# Altium PCB spider-nest.PcbDoc
Units mm, origin at the board's own origin, x right, y up, seen from the top; angles counter-clockwise.
Board outline 200 x 197.5 mm, 2 copper layers (Top Layer, Bottom Layer); 174 components, 264 nets, 1036 pads, 25 vias.
Unrouted connection lines stored in the file: 581.
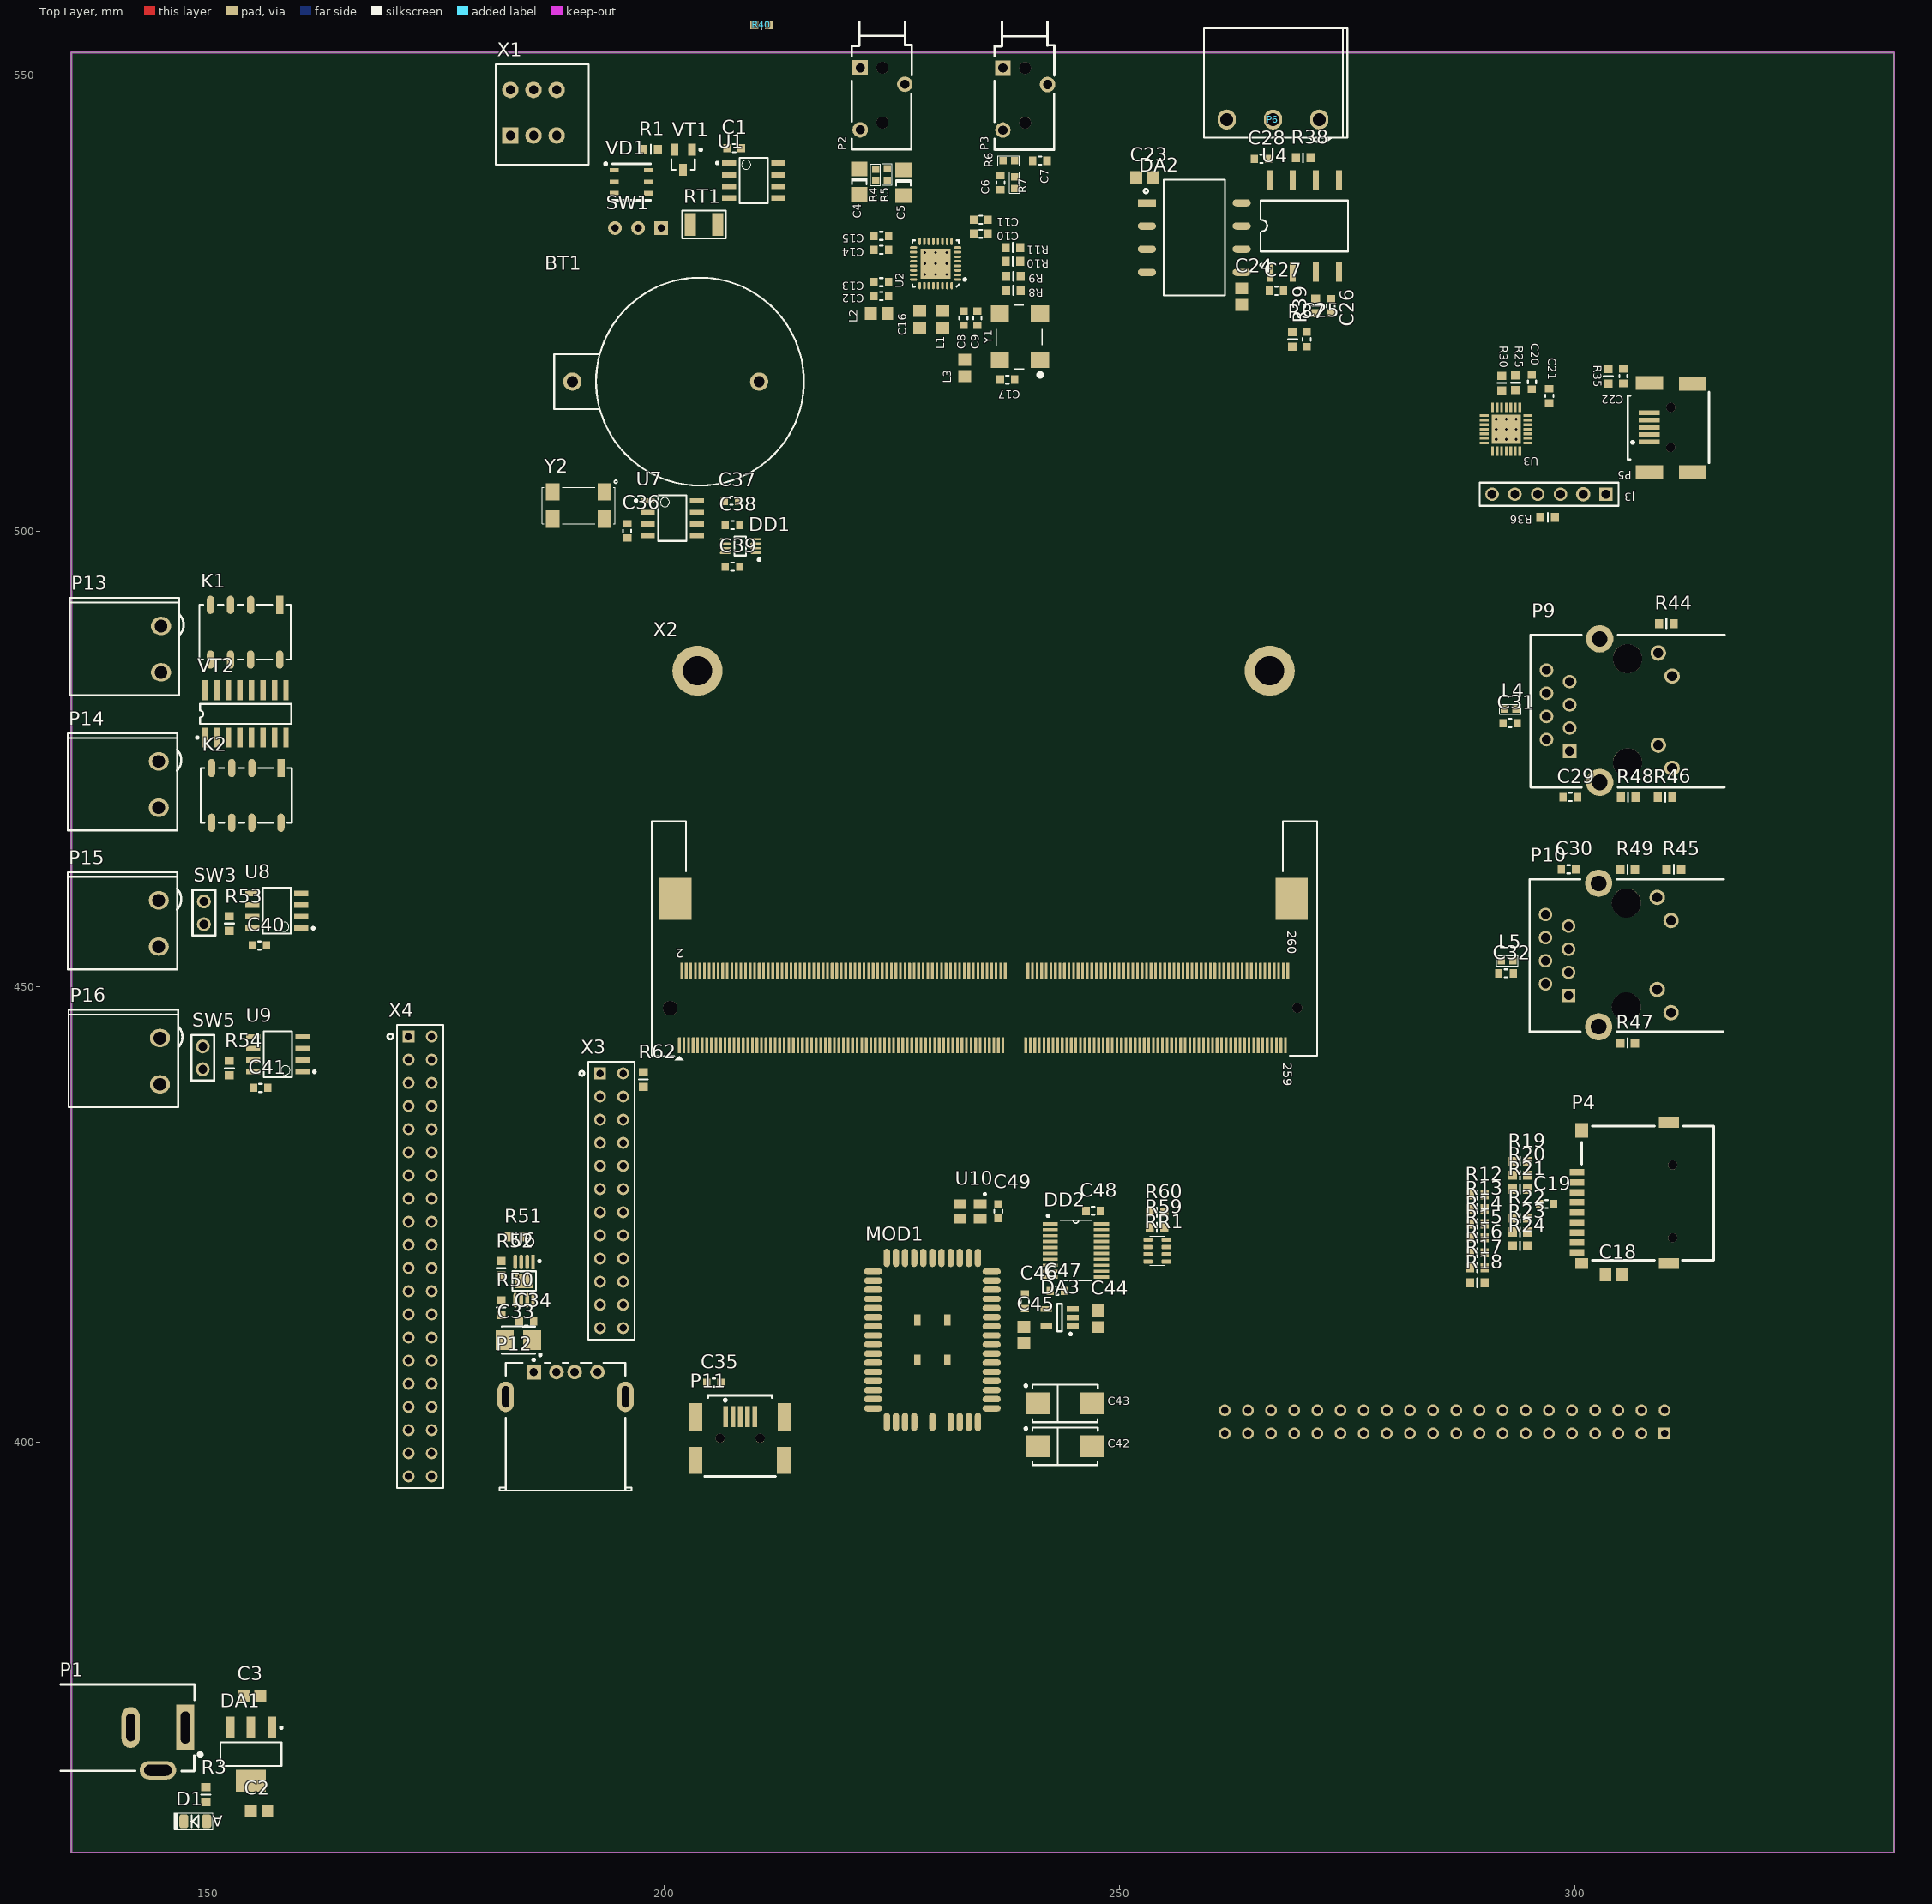
[diagram p0: Top Layer view]
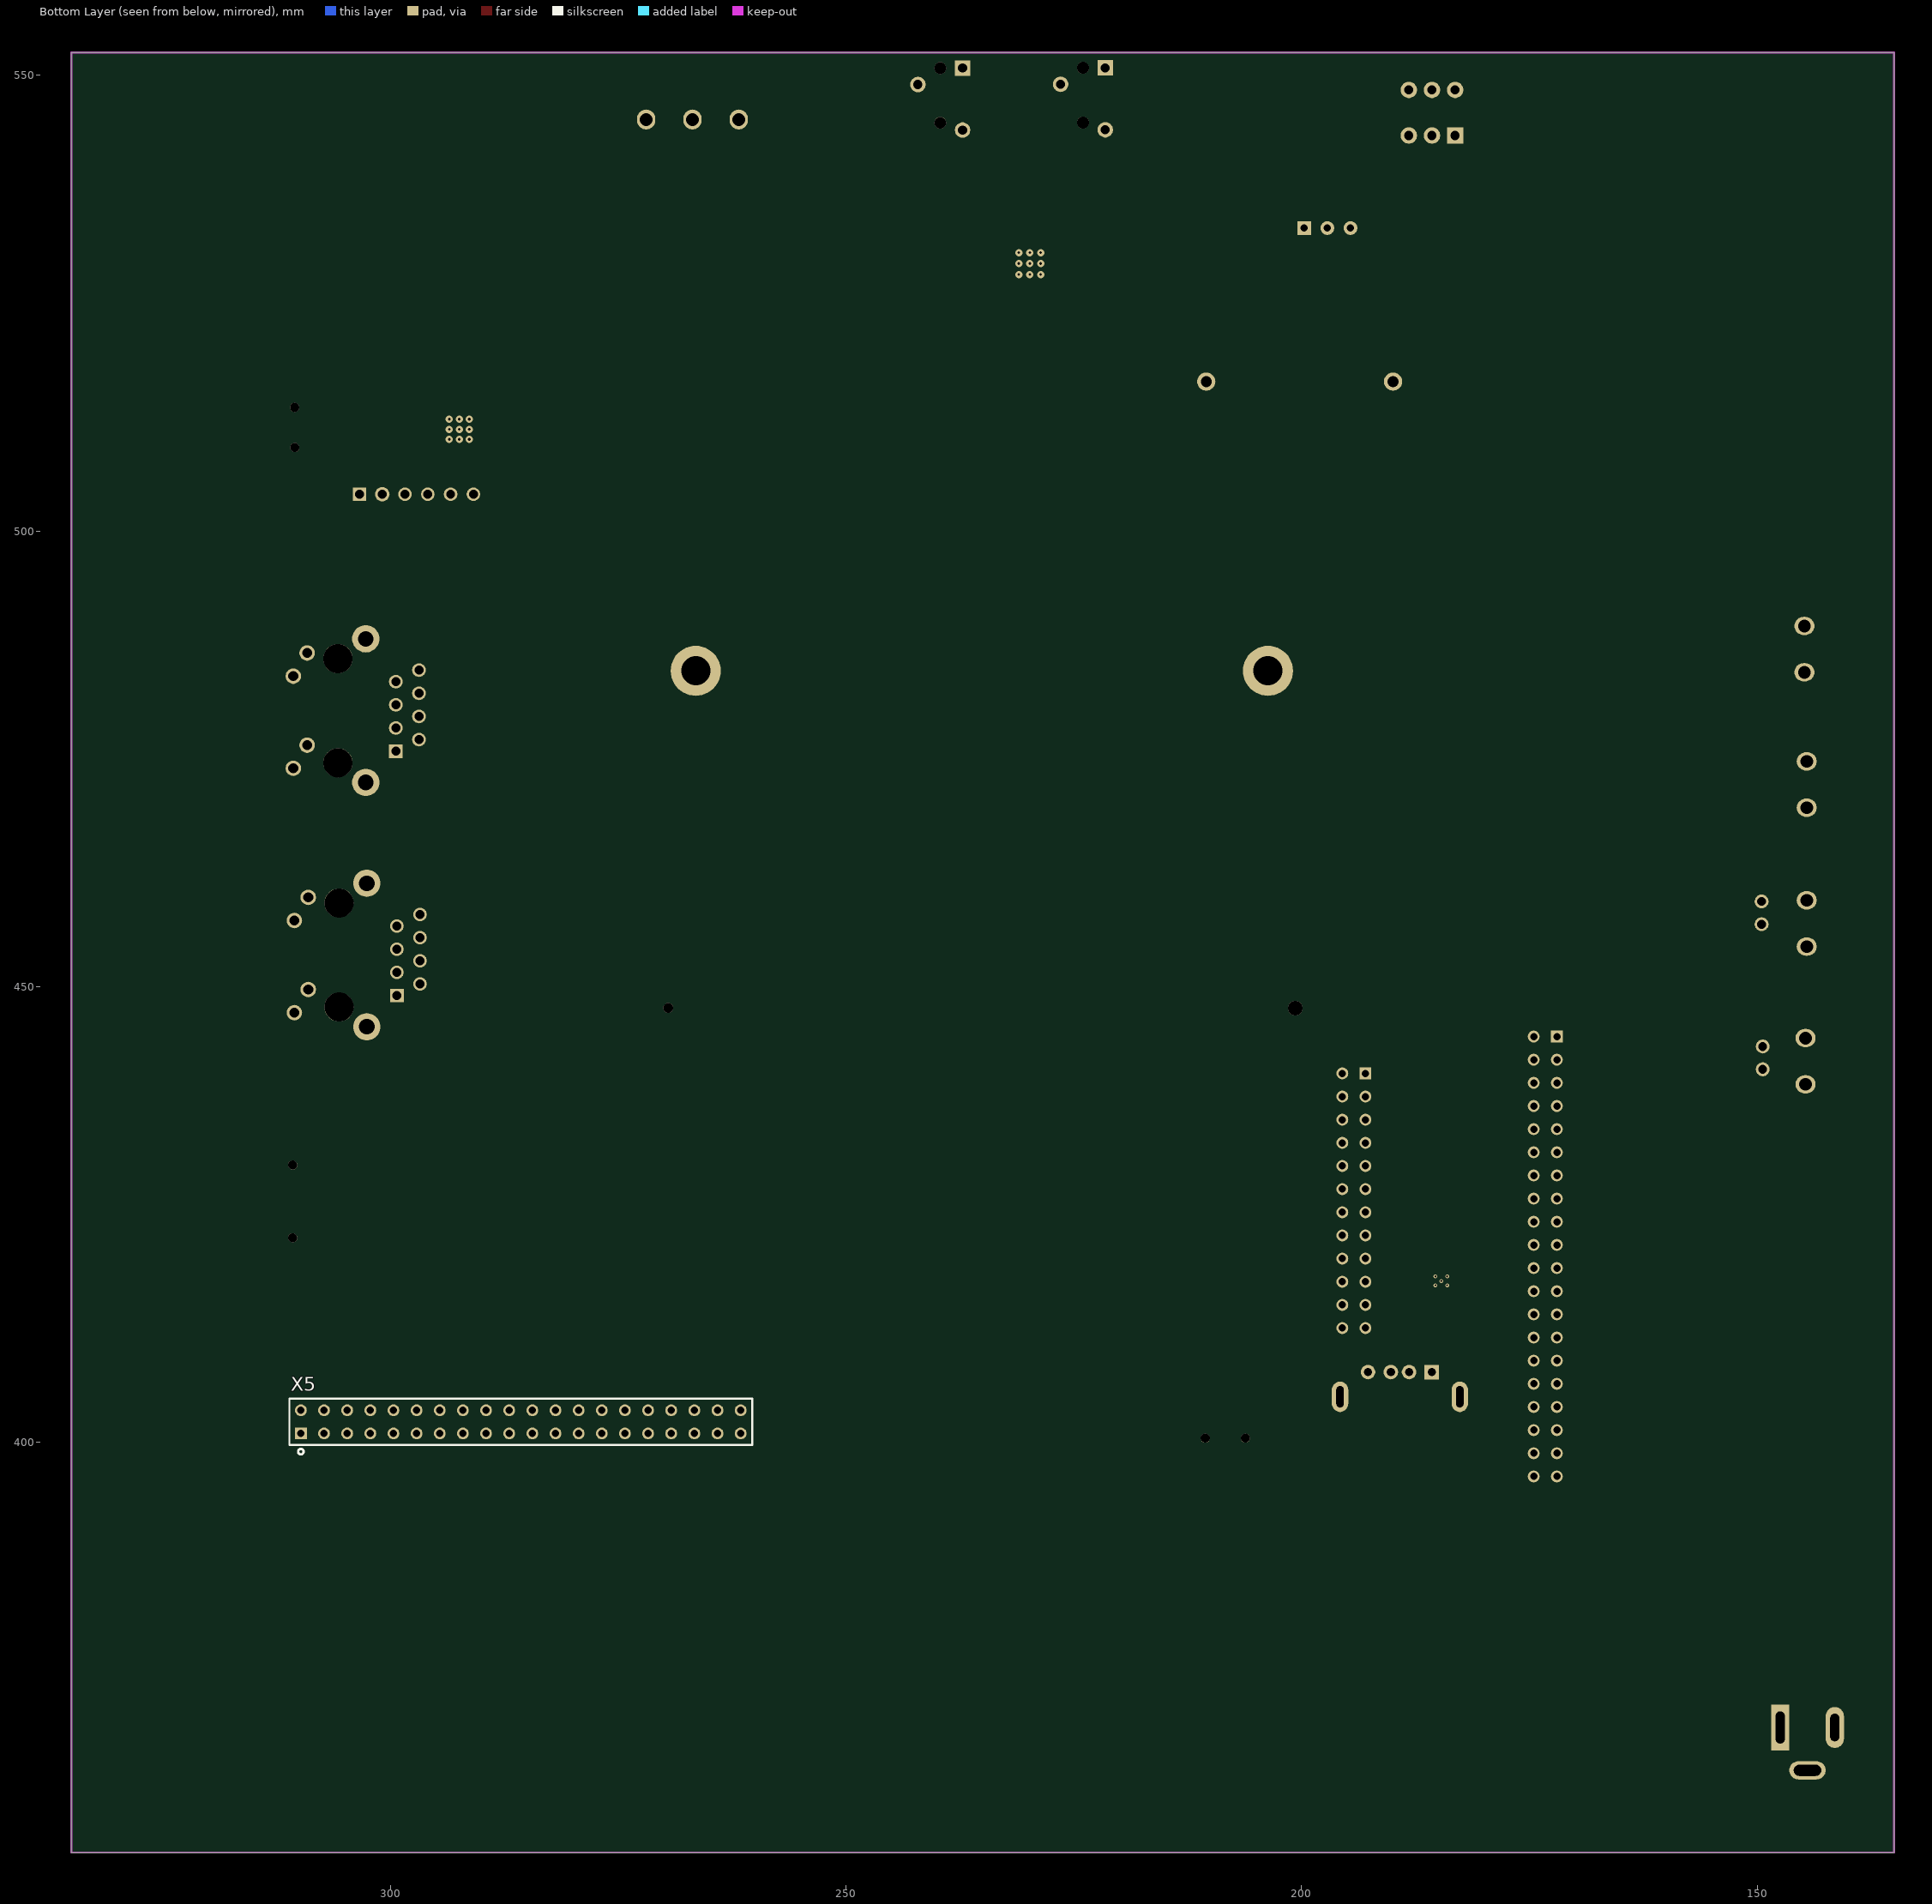
[diagram p1: Bottom Layer view, seen from below]

## Layer stack, top to bottom
Top Solder: solder mask 0.0102, Solder Resist, Dk 3.5
Top Layer: signal copper 0.0356
Dielectric 1: dielectric 0.32, FR-4, Dk 4.8
Bottom Layer: signal copper 0.0356
Bottom Solder: solder mask 0.0102, Solder Resist, Dk 3.5

## Board outline
135,355 335,355 335,552.5 135,552.5

## Design rules (kind name [scope] priority, off if disabled: settings)
Clearance [All] p1: gap=0.2
ComponentClearance [All] p1: gap=0.2 collisioncheckmode=3 verticalgap=0.2 showdistances=FALSE
DiffPairsRouting [All] p1: maxlimit=0.254 minlimit=0.2 mostfreqgap=0.25 toplayer_minwidth=0.25 toplayer_maxwidth=0.381 toplayer_prefwidth=0.25 bottomlayer_minwidth=0.25 bottomlayer_maxwidth=0.381 bottomlayer_prefwidth=0.25 maxuncoupledlength=12.7
HoleSize [All] p1: absolutevalues=TRUE maxlimit=10 minlimit=0.025 maxpercent=80.000 minpercent=20.000
HoleToHoleClearance [All] p1: gap=0.2 allowstackedmicrovias=TRUE
MinimumSolderMaskSliver [All] p1: minsoldermaskwidth=0.1
PolygonConnect [All] p1: connectstyle=Relief reliefconductorwidth=0.254 reliefentries=4 polygonreliefangle="90 Angle" airgapwidth=0.254
RoomDefinition power [InComponentClass('power')] p1: confinementstyle=ConfineIn formatcopy=TRUE lockcomponents=FALSE outline 178.943,205.359 221.107,205.359 221.107,224.409 178.943,224.409
RoomDefinition expansion_gpio [InComponentClass('expansion_gpio')] p2: confinementstyle=ConfineIn formatcopy=TRUE lockcomponents=FALSE outline 178.943,150.368 206.121,150.368 206.121,204.216 178.943,204.216
RoomDefinition boot [InComponentClass('boot')] p3: confinementstyle=ConfineIn formatcopy=TRUE lockcomponents=FALSE outline 178.943,60.198 445.389,60.198 445.389,79.121 178.943,79.121
RoutingVias [All] p1: holewidth=0.8 width=1.3 viastyle="Through Hole" minholewidth=0.3 minwidth=0.8 maxholewidth=1 maxwidth=3
SilkToSilkClearance [All] p1: silktosilkclearance=0.2
SilkToSolderMaskClearance [IsPad] p1: minsilkscreentomaskgap=0.1 clearancetoexposedcopper=TRUE
SolderMaskExpansion [All] p1: expansion=0.102
Width [All] p1: maxlimit=3 minlimit=0.25 preferedwidth=0.25
23 further rules are at their usual default settings.

## Classes and differential pairs
component class 1-wire: C1 J1 R1 RT1 SW1 U1 VD1 VT1 X1
component class audio: C4 C5 C6 C7 C8 C9 C10 C11 C12 C13 C14 C15 C16 C17 L1 L2 L3 P2 P3 R4 R5 R6 R7 R8 R9 R10 R11 U2 Y1
component class boot: C18 C19 C20 C21 C22 D2 D3 D4 D5 J2 J3 P4 P5 Q1 Q2 R12 R13 R14 R15 R16 R17 R18 R19 R20 R21 R22 R23 R24 R25 R26 R27 R28 R29 R30 R31 R32 R33 R34 R35 R36 S1 S2 S3 SW2 U3
component class can: C23 C24 C25 C26 C27 C28 DA2 P6 R37 R38 R39 U4
component class digital-in: P7 P8 R40 R41 R42 R43 U5
component class eth_usb: BAT1 BT1 C29 C30 C31 C32 C33 C34 C35 C36 C37 C38 C39 DD1 L4 L5 P9 P10 P11 P12 R44 R45 R46 R47 R48 R49 R50 R51 R52 U6 U7 Y2
component class expansion_gpio: R61 X3 X4 X5
component class power: C2 C3 D1 DA1 P1 R2 R3
component class relay: K1 K2 P13 P14 VT2
component class rs485: C40 C41 P15 P16 R53 R54 SW3 SW4 SW5 SW6 U8 U9
component class spider-som: R62 X2
component class wifi: AN1 C42 C43 C44 C45 C46 C47 C48 C49 CA1 DA3 DD2 MOD1 R59 R60 RR1 U10
differential pair ETH1_RX: +ETH1_RX_P -ETH1_RX_N
differential pair ETH1_TX: +ETH1_TX_P -ETH1_TX_N
differential pair ETH2_RX: +ETH2_RX_P -ETH2_RX_N
differential pair ETH2_TX: +ETH2_TX_P -ETH2_TX_N
differential pair USB0_D: +USB0_D_P -USB0_D_N
differential pair USB1: +USB1_P -USB1_N
differential pair USBD: +USBD_P -USBD_N

## Components (designator, comment, footprint, x,y, rotation, side; value= is the part's Value field where it differs from the comment)
BT1 "CR2032" BH2032CH25 189.972,516.398 r270 top
C1 "C0603" CC1608-0603 207.721,542.009 r0 top
C2 "C0805" CC2012-0805 155.593,359.591 r180 top
C3 "C0805" CC2012-0805 154.831,372.164 r180 top
C4 "C1206" CC3216-1206 221.464,538.347 r270 top
C5 "C1206" CC3216-1206 226.29,538.22 r270 top
C6 "C0603" CC1608-0603 236.958,538.22 r270 top
C7 "C0603" CC1608-0603 241.276,540.633 r180 top
C8 "C0603" CC1608-0603 232.894,523.361 r270 top
C9 "C0603" CC1608-0603 234.418,523.361 r270 top
C10 "C0603" CC1608-0603 234.799,532.632 r0 top
C11 "C0603" CC1608-0603 234.799,534.156 r0 top
C12 "C0603" CC1608-0603 223.877,525.774 r180 top
C13 "C0603" CC1608-0603 223.877,527.298 r180 top
C14 "C0603" CC1608-0603 223.877,530.854 r180 top
C15 "C0603" CC1608-0603 223.877,532.378 r180 top
C16 "C0805" CC2012-0805 228.068,523.234 r90 top
C17 "C0603" CC1608-0603 237.72,516.63 r0 top
C18 "C0805" CC2012-0805 304.24,418.4 r180 top
C19 "C0603" CC1608-0603 296.874,426.147 r180 top
C20 "C0603" CC1608-0603 295.254,516.363 r90 top
C21 "C0603" CC1608-0603 297.159,514.839 r90 top
C22 "C0603" CC1608-0603 305.287,516.998 r90 top
C23 "C0805" CC2012-0805 252.755,538.803 r0 top
C24 "C0805" CC2012-0805 263.423,525.722 r90 top
C25 "C0603" CC1608-0603 270.535,521.023 r90 top
C26 "C0603" CC1608-0603 273.202,524.706 r270 top
C27 "C0603" CC1608-0603 267.233,526.357 r0 top
C28 "C0603" CC1608-0603 265.582,540.835 r180 top
C29 "C0603" CC1608-0603 299.476,470.799 r180 top
C30 "C0603" CC1608-0603 299.284,462.886 r180 top
C31 "C0603" CC1608-0603 292.872,478.927 r180 top
C32 "C0603" CC1608-0603 292.426,451.456 r180 top
C33 "*" CAP_B 184.044,411.242 r180 top
C34 "C0603" CC1608-0603 184.933,413.274 r0 top
C35 "C0603" CC1608-0603 205.501,406.566 r180 top
C36 "C0603" CC1608-0603 195.994,500.015 r270 top
C37 "C0603" CC1608-0603 207.424,503.317 r180 top
C38 "C0603" CC1608-0603 207.551,500.65 r180 top
C39 "C0603" CC1608-0603 207.551,496.078 r180 top
C40 "C0603" CC1608-0603 155.63,454.537 r0 top
C41 "C0603" CC1608-0603 155.757,438.916 r0 top
C42 "Cap_D" Cap_D 244.025,399.583 r0 top
C43 "Cap_D" Cap_D 244.025,404.282 r0 top
C44 "C0805" CC2012-0805 247.636,413.581 r270 top
C45 "C0805" CC2012-0805 239.508,411.803 r90 top
C46 "C0603" CC1608-0603 239.635,415.486 r270 top
C47 "C0603" CC1608-0603 243.191,416.629 r180 top
C48 "C0603" CC1608-0603 247.128,425.392 r180 top
C49 "C0603" CC1608-0603 236.714,425.392 r90 top
D1 "LED0805" LED0805 149.838,358.448 r180 top
D2 "LED0805" LED0805 287.02,101.219 r90 top
D3 "LED0805" LED0805 291.338,101.219 r90 top
D4 "LED0805" LED0805 295.656,101.219 r90 top
D5 "LED0805" LED0805 299.974,101.219 r90 top
DA1 "LM1117" SOT230P700X160-4N 154.704,365.814 r270 top
DA2 "PSD-xxxxELF" PSD-xxxxELF 253.009,536.009 r0 top
DA3 "TPS731xx" SOT95P280X145-5N 243.445,413.708 r180 top
DD1 "TXS0102DCU" SOP127P600-8N 208.44,498.364 r180 top
DD2 "TXS0108E_PW_20" PW20 245.223,421.074 r0 top
J3 "HEADER 6" pls-6 303.39,504.04 r270 top
K1 "IM02GR" IM-Gull 157.855,491.906 r270 top
K2 "IM02GR" IM-Gull 157.982,473.999 r270 top
L1 "BLM21" CC2012-0805 230.608,523.234 r90 top
L2 "BLM21" CC2012-0805 223.623,523.869 r0 top
L3 "BLM21" CC2012-0805 233.021,517.9 r90 top
L4 "BLM18A-FB" CHIP0603 292.257,480.451 r0 top
L5 "BLM18A-FB" CHIP0603 291.918,452.853 r0 top
MOD1 "TIWI-R2_MODULE_UFL" tiwi-r2 229.443,411.442 r180 top
P1 "PJ-002A" PJ-002A 147.496,368.735 r270 top
P2 "AUB-13" AUB_13 221.554,550.824 r90 top
P3 "AUB-13" AUB_13 237.212,550.793 r90 top
P4 "" TFC08WP01F-A-R1K-H 300.217,429.644 r90 top
P5 "MiniUSB-B" "MINI-USB-B5 SMT" 314.394,506.869 r180 top
P6 "TE_282814-3" TE_282814-3 271.932,545.153 r180 top
P7 "TE_282814-2" TE_282814-2 219.246,571.7 r180 top
P8 "TE_282814-2" TE_282814-2 207.562,571.7 r180 top
P9 "CONN_RJ45_MAG_WE_0" TRJ0011ABNL 299.402,475.854 r90 top
P10 "CONN_RJ45_MAG_WE_0" TRJ0011ABNL 299.284,449.043 r90 top
P11 "MiniUSB-B" "MINI-USB-B5 SMT" 203.881,396.57 r90 top
P12 "CONN_54819-0578_2" USB2.5-2H4C 189.217,394.739 r270 top
P13 "TE_282814-2" TE_282814-2 144.835,489.589 r270 top
P14 "TE_282814-2" TE_282814-2 144.581,474.73 r270 top
P15 "TE_282814-2" TE_282814-2 144.581,459.49 r270 top
P16 "TE_282814-2" TE_282814-2 144.708,444.377 r270 top
Q1 "RN1907" SOT363-6L 288.605,108.189 r0 top
Q2 "RN1907" SOT363-6L 297.434,107.95 r0 top
R1 "R0603" RESC1608X55N 198.577,541.882 r180 top
R2 "R0603" RESC1608X55N 196.723,220.091 r90 top
R3 "R0603" RESC1608X55N 149.751,361.369 r90 top
R4 "R0603" CHIP0603 223.242,538.474 r90 top
R5 "R0603" CHIP0603 224.512,538.494 r90 top
R6 "R0603" CHIP0603 237.232,540.633 r0 top
R7 "R0603" CHIP0603 238.482,538.855 r270 top
R8 "R0603" RESC1608X55N 238.355,526.409 r180 top
R9 "R0603" RESC1608X55N 238.355,527.933 r180 top
R10 "R0603" RESC1608X55N 238.317,529.584 r180 top
R11 "R0603" RESC1608X55N 238.317,531.108 r180 top
R12 "R0603" RESC1608X55N 289.254,427.163 r180 top
R13 "R0603" RESC1608X55N 289.254,425.639 r180 top
R14 "R0603" RESC1608X55N 289.254,423.988 r180 top
R15 "R0603" RESC1608X55N 289.254,422.464 r180 top
R16 "R0603" RESC1608X55N 289.254,420.813 r180 top
R17 "R0603" RESC1608X55N 289.254,419.162 r180 top
R18 "R0603" RESC1608X55N 289.254,417.511 r180 top
R19 "R0603" RESC1608X55N 293.953,430.846 r180 top
R20 "R0603" RESC1608X55N 293.953,429.322 r180 top
R21 "R0603" RESC1608X55N 293.953,427.798 r180 top
R22 "R0603" RESC1608X55N 293.953,424.623 r180 top
R23 "R0603" RESC1608X55N 293.953,423.099 r180 top
R24 "R0603" RESC1608X55N 293.953,421.575 r180 top
R25 "R0603" RESC1608X55N 293.476,516.274 r90 top
R26 "R0603" RESC1608X55N 284.607,96.012 r90 top
R27 "R0603" RESC1608X55N 290.449,96.012 r90 top
R28 "R0603" RESC1608X55N 296.291,96.012 r90 top
R29 "R0603" RESC1608X55N 302.133,96.012 r90 top
R30 "R0603" RESC1608X55N 291.952,516.236 r90 top
R31 "R0603" RESC1608X55N 284.607,116.332 r90 top
R32 "R0603" RESC1608X55N 289.941,116.332 r90 top
R33 "R0603" RESC1608X55N 295.783,116.332 r90 top
R34 "R0603" RESC1608X55N 301.625,116.332 r90 top
R35 "R0603" RESC1608X55N 303.636,516.998 r90 top
R36 "R0603" RESC1608X55N 297,501.5 r0 top
R37 "R0603" RESC1608X55N 269.011,521.023 r270 top
R38 "R0603" RESC1608X55N 270.154,540.962 r180 top
R39 "R0603" RESC1608X55N 271.551,524.706 r270 top
R40 "R0603" RESC1608X55N 210.737,555.571 r0 top
R41 "R0603" RESC1608X55N 213.15,564.334 r90 top
R42 "R0603" RESC1608X55N 210.737,557.222 r0 top
R43 "R0603" RESC1608X55N 205.784,564.461 r90 top
R44 "R0603" RESC1608X55N 310.017,489.849 r0 top
R45 "R0603" RESC1608X55N 310.841,462.886 r0 top
R46 "R0603" RESC1608X55N 309.89,470.799 r180 top
R47 "R0603" RESC1608X55N 305.761,443.836 r0 top
R48 "R0603" RESC1608X55N 305.826,470.799 r180 top
R49 "R0603" RESC1608X55N 305.761,462.886 r180 top
R50 "R0603" RESC1608X55N 182.139,414.798 r270 top
R51 "R0603" RESC1608X55N 183.79,422.545 r0 top
R52 "R0603" RESC1608X55N 182.139,419.116 r90 top
R53 "R0603" RESC1608X55N 152.328,456.95 r270 top
R54 "R0603" RESC1608X55N 152.328,441.075 r270 top
R59 "R0603" RESC1608X55N 254.113,423.614 r180 top
R60 "R0603" RESC1608X55N 254.113,425.265 r180 top
R61 "R0603" RESC1608X55N 195.072,199.898 r90 top
R62 "R0603" RESC1608X55N 197.759,439.831 r90 top
RR1 "CAY-J4" CAY16-J4 254.729,419.855 r180 top
RT1 "MF-USMF" MF-USMF 204.419,533.627 r180 top
S1 "*" SWT-32 422.783,67.31 r0 top
S2 "*" SWT-32 329.565,67.31 r0 top
S3 "*" SWT-32 316.103,67.31 r0 top
SW1 "Jumper-3p" pls-3 199.72,533.246 r270 top
SW2 "Jumper-3p" pls-3 441.96,75.057 r0 top
SW3 "Jumper 2-pin" JUMPER_2 149.534,459.363 r270 top
SW5 "Jumper 2-pin" JUMPER_2 149.407,443.448 r270 top
U1 "DS2482-100" SOIC127P600X175-8N 209.88,538.453 r0 top
U2 "TLV320AIC3104" QFN5X5-32 229.834,529.35 r90 top
U3 "CP2102GMR" QFN28-0.5 294.836,509.669 r180 top
U4 "ISO1050DUB" SO-G8/Z10.8 270.281,533.469 r0 top
U5 "ILD206T" SOIC-8-OPTOCOUPLER 209.467,562.175 r270 top
U6 "TPS2051B" R-PDSO-G8 185.654,419.819 r270 top
U7 "DS1307Z" SOIC127P600X175-8N 200.947,501.412 r0 top
U8 "ADM3485" SOIC127P600X175-8N 157.535,458.347 r180 top
U9 "ADM3485" SOIC127P600X175-8N 157.662,442.599 r180 top
U10 "ASEK2-32.768KHZ-LRT" asek1 234.723,426.154 r180 top
VD1 "DS9503" tsoc6 194.563,539.596 r0 top
VT1 "P-FET SOT-23" SO-G3 202.133,540.739 r180 top
VT2 "ULN2003A" SO-G16 154.106,479.937 r0 top
X1 "TB-07B" TB-07B 183.16,543.4 r90 top
X2 "DDR4_Edge" "DDR4 SO_DIMM connector" 200.696,447.669 r180 top
X3 "PLD-24" PLD-24 193,440.5 r0 top
X4 "PLD-40" PLD-40 172,444.54 r0 top
X5 "PLD-40" PLD-40 309.82,401 r90 bottom
Y1 "KXO-V97" KXO_V97 241.276,518.789 r90 top
Y2 "KX-327S" ABS25-32.768KHZ-T 190.66,502.809 r180 top

## Footprints (in the part's own frame and the unit in brackets; to place one, negate y for a bottom-side part, rotate by r counter-clockwise, add the part's x,y. Pads: shape width x height; smd on the part's side, far side on the other; paste and mask are expansions set on the pad)
ABS25-32.768KHZ-T [mm]
  rect 1.5x1.9 smd mask+0.02: 1(-2.85,-1.5) 2(2.85,-1.5) 3(2.85,1.5) 4(-2.85,1.5)
  silkscreen extent -4.23,-2.77 4,2, body extent -4,-1.9 4,1.9, height 2.43
asek1 [mm]
  rect 1.4x1 smd: 1(0,0) 2(2.2,0) 3(2.2,1.6) 4(0,1.6)
  silkscreen extent -0.6,-1.2 -0.4,-1, body extent -0.53,-0.46 2.67,2.04, height 1
AUB_13 [mm] "3.5mm audio jack, PTH on pcb, 3 contacts"
  round 1.3 hole 1.3 unplated: 0(-6,-2.45) 0(0,-2.45)
  rect 1.7x1.7 hole 1: 1(0,0)
  round 1.7 hole 1: 2(-1.8,-4.9) 3(-6.8,0)
  silkscreen extent -8.95,-5.65 5.25,0.92, body extent -8.78,-5.33 5.22,0.67, height 5
BH2032CH25 [mm]
  round 2 hole 1.2: 1(0,0) 2(0,20.5)
  silkscreen extent -11.4,-2 11.4,25.4, body extent -11.45,-3.27 11.3,25.42, height 7.35